# Altium PCB UHF-QM.PcbDoc (part 1 of 2) (continued)
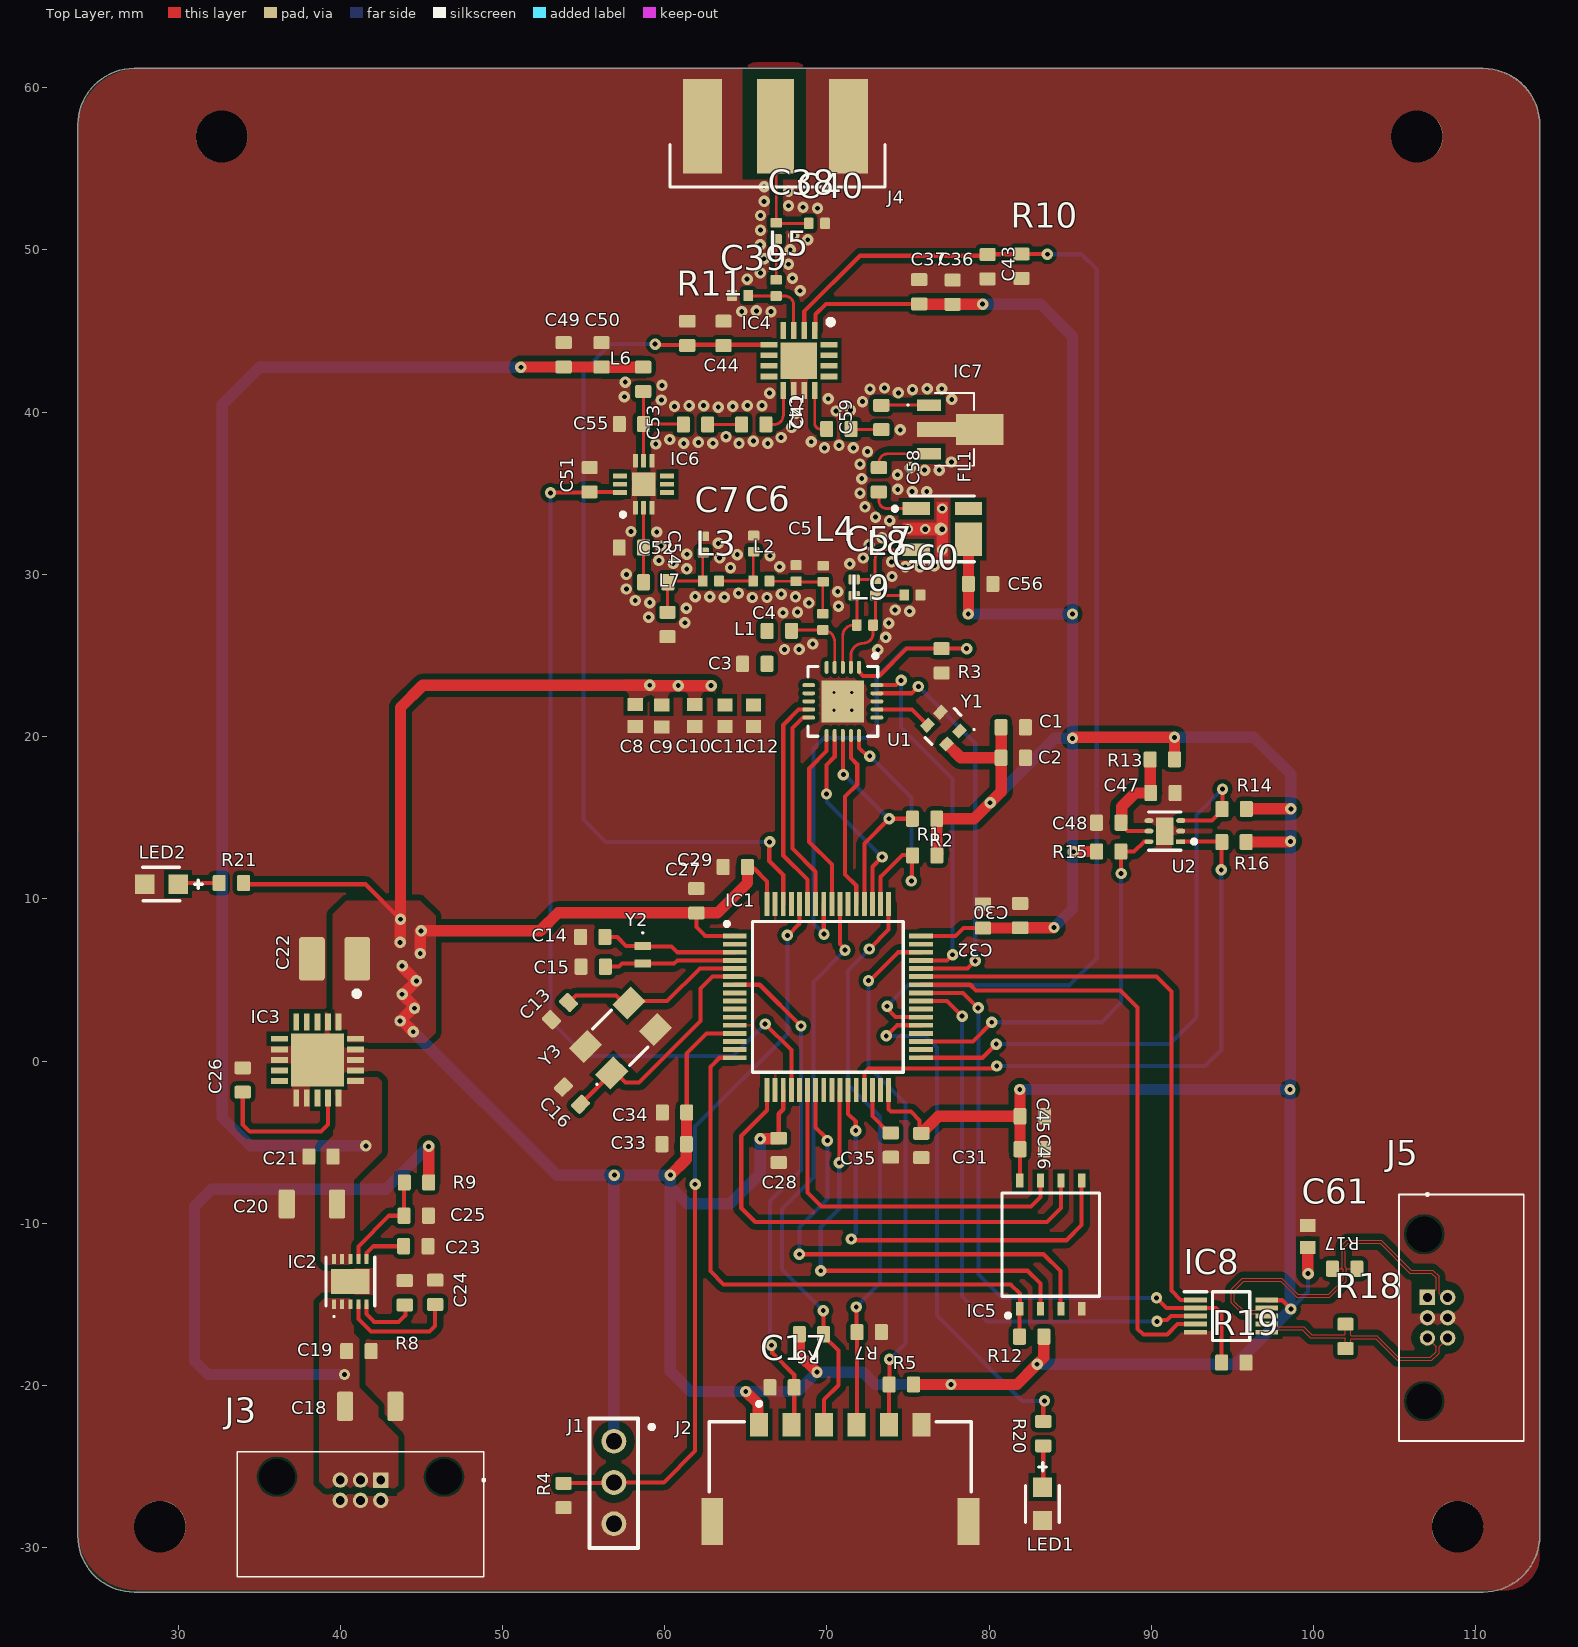
[diagram p0: Top Layer view]
## Design rules (kind name [scope] priority, off if disabled: settings)
BoardOutlineClearance [(InNet('GND') AND IsPolygon)] p1: gap=0.254 ignorepadtopadclearanceinfootprint=FALSE except(-2: Poly-OutlineEdge; 0: Arc-SplitContinuation Track-SplitContinuation SMDPad-SplitContinuation THPad-SplitContinuation Via-SplitContinuation Fill-SplitContinuation Poly-SplitContinuation Region-SplitContinuation Text-SplitContinuation)
Clearance [All] p1: gap=0.254 ignorepadtopadclearanceinfootprint=FALSE except(0.127: Arc-THPad Arc-Text Arc-Hole Track-THPad Track-Text Track-Hole SMDPad-THPad SMDPad-Hole THPad-THPad THPad-Hole Via-Hole Fill-Hole Poly-Hole Region-Hole Text-Hole; 0.15: Arc-SMDPad Track-SMDPad SMDPad-SMDPad; 0.2: Arc-Arc Arc-Track Track-Track; 0.35: Arc-Fill Arc-Poly Arc-Region Track-Fill Track-Poly Track-Region Fill-Fill Fill-Poly Fill-Region Poly-Poly Poly-Region Region-Region; 0.5: THPad-Fill THPad-Poly THPad-Region)
DiffPairsRouting [All] p1: maxlimit=0.254 minlimit=0.127 mostfreqgap=0.254 toplayer_maxgap=0.127 toplayer_prefgap=0.127 toplayer_minwidth=0.063 toplayer_maxwidth=0.063 toplayer_prefwidth=0.059 midlayer1_minwidth=0.381 midlayer1_maxwidth=0.381 midlayer1_prefwidth=0.381 midlayer2_minwidth=0.381 midlayer2_maxwidth=0.381 midlayer2_prefwidth=0.381 bottomlayer_maxgap=0.127 bottomlayer_prefgap=0.127 bottomlayer_minwidth=0.063 bottomlayer_maxwidth=0.063 bottomlayer_prefwidth=0.059 impedanceprofiledriven=TRUE maxuncoupledlength=12.7
HoleSize [All] p1: absolutevalues=TRUE maxlimit=3.5 minlimit=0.025 maxpercent=80.000 minpercent=20.000
MatchedLengths [InNetClass('FLASH')] p1: tolerance=25.4 checknetsindiffpair=FALSE checkdiffpairvsdiffpair=TRUE checkxsignals=TRUE checkothers=TRUE usedelayunits=TRUE delaytolerance=300.000000
MinimumSolderMaskSliver [All] p1: minsoldermaskwidth=0.05
PolygonConnect [All] p1: connectstyle=Direct reliefconductorwidth=0.254 reliefentries=4 polygonreliefangle="90 Angle" airgapwidth=0.254
RoutingVias [All] p1: holewidth=0.3 width=0.7 viastyle="Through Hole" minholewidth=0.3 minwidth=0.7 maxholewidth=0.3 maxwidth=0.7
SilkToSilkClearance [All] p1: silktosilkclearance=0.15
SilkToSolderMaskClearance [IsPad] p1: minsilkscreentomaskgap=0.15 clearancetoexposedcopper=TRUE
SolderMaskExpansion [All] p1: expansion=0.102 istentingtop=FALSE
SupplyNets "Schematic Supply Nets_1" [InNet('12vefuse')] p1: voltage=0.000
SupplyNets "Schematic Supply Nets_3" [InNet('12v')] p2: voltage=0.000
SupplyNets "Schematic Supply Nets_2" [InNet('GND')] p3: voltage=0.000
SupplyNets "Schematic Supply Nets" [InNet('3v3')] p4: voltage=0.000
Width [InNetClass('rf')] p1: maxlimit=0.254 minlimit=0.17 preferedwidth=0.254 toplayer_maxwidth=0.18 toplayer_prefwidth=0.175 bottomlayer_maxwidth=0.18 bottomlayer_prefwidth=0.175 impedanceprofiledriven=TRUE minimp=50.000000 maximp=50.000000 favimp=50.000000
25 further rules are at their usual default settings.

## Classes and differential pairs
net class N000-1_[0..3]: FLASH_QSPI_IO0 FLASH_QSPI_IO1 FLASH_QSPI_IO2 FLASH_QSPI_IO3
net class FLASH: FLASH_QSPI_IO0 FLASH_QSPI_IO1 FLASH_QSPI_IO2 FLASH_QSPI_IO3 FLASH_QSPI_SCK
net class rf: BiasOut LNAIN Lnaout NetC4_2 NetC6_2 NetC38_1 NetC38_2 NetC39_2 PA_IN PA_IN_2 PAout RF1TX RF2RX RF_Tx rfBIAS RFRx_N RFRx_P Switch_RX Switch_TX
component class RS485: 332 C61 IC8 J5 LED1 LED2 R17 R18 R19 R20 R21
component class RFnetwork: C49 C50 C51 C52 C53 C54 C55 C56 C57 C58 C59 C60 FL1 IC6 IC7 L6 L7 L8 L9
component class RFswitch: C36 C37 C38 C39 C40 C41 C42 C43 C44 IC4 J4 L5 R10 R11
component class FlashNTemp: C45 C46 C47 C48 IC5 R12 R13 R14 R15 R16 U2
component class si_chip: C1 C2 C3 C4 C5 C6 C7 C8 C9 C10 C11 C12 L1 L2 L3 L4 R1 R2 R3 U1 Y1
component class power: 3 C18 C19 C20 C21 C22 C23 C24 C25 C26 C27 C28 C29 C30 C31 C32 C33 C34 C35 IC2 IC3 J3 R8 R9
component class Stm32: C13 C14 C15 C16 C17 IC1 J1 J2 R4 R5 R6 R7 Y2 Y3
differential pair UHF_OUT: +UHF_OUT_P -UHF_OUT_N
differential pair UHF_IN: +UHF_IN_P -UHF_IN_N

## Components (designator, comment, footprint, x,y, rotation, side; value= is the part's Value field where it differs from the comment)
C1 "100nF +/-?% XR?" CAP_0603#1 81.488,20.575 r180 top
C2 "10nF +/-?% XR?" CAP_0603#1 81.488,18.695 r180 top
C3 "33pF +/-?% XR?" CAP_0603#1 65.557,24.486 r180 top
C4 "6.8pF" CAP_0402 69.748,27.076 r90 top
C5 "10pF" CAP_0402 68.097,30.074 r270 top
C6 "18pF" CAP_0402 65.481,31.894 r270 top
C7 "10pF" CAP_0402 62.382,31.844 r270 top
C8 "2u2f" CAPC1608X87N 58.191,21.295 r270 top
C9 "100nf" CAPC1608X87N 59.817,21.269 r270 top
C10 "100pf" CAPC1608X87N 61.849,21.295 r270 top
C11 "33pf" CAPC1608X87N 63.717,21.281 r270 top
C12 "100nf" CAPC1608X87N 65.469,21.281 r270 top
C13 "22pF" CAP_0603#1 53.543,3.073 r225 top
C14 "4pF" CAP_0603#1 55.562,7.645 r0 top
C15 "4pF" CAP_0603#1 55.587,5.817 r0 top
C16 "22pF" CAP_0603#1 54.283,-2.137 r135 top
C17 "100nF" CAP_0603#1 67.234,-20.117 r0 top
C18 "10uF" CAP_1206 41.847,-21.286 r180 top
C19 "100nF" CAP_0603#1 41.147,-17.886 r180 top
C20 "10uF" CAP_1206 38.252,-8.814 r0 top
C21 "100nF" CAP_0603#1 38.811,-5.893 r0 top
C22 "47uF" CAP_1210 39.646,6.299 r0 top
C23 "100nF" CAP_0603#1 44.657,-11.417 r0 top
C24 "100nF" CAP_0603#1 45.851,-14.264 r90 top
C25 "100nF" CAP_0603#1 44.682,-9.537 r180 top
C26 "1uF" CAP_0603#1 33.985,-1.168 r270 top
C27 "100nF" CAP_0603#1 61.951,9.881 r270 top
C28 "100nF" CAP_0603#1 67.031,-5.512 r90 top
C29 "100nF" CAP_0603#1 64.352,11.963 r0 top
C30 "1uF" CAP_0603#1 81.915,8.966 r270 top
C31 "100nF" CAP_0603#1 75.819,-5.207 r90 top
C32 "100nF" CAP_0603#1 79.629,8.941 r270 top
C33 "1uF" CAP_0603#1 60.581,-5.126 r0 top
C34 "100nF" CAP_0603#1 60.606,-3.17 r0 top
C35 "4.7uF" CAP_0603#1 73.939,-5.182 r90 top
C36 "100nF +/-?% XR?" CAP_0603#1 77.749,47.396 r90 top
C37 "100pF +/-?% XR?" CAP_0603#1 75.692,47.422 r90 top
C38 "6.4pf" CAP_0402 66.878,51.173 r90 top
C39 "2.6pf" CAP_0402 64.651,47.193 r0 top
C40 "2.6pf" CAP_0402 69.385,51.638 r180 top
C41 "100pF +/-?% XR?" CAP_0603#2 65.493,39.243 r180 top
C42 "100pF +/-?% XR?" CAP_0603#2 70.739,38.964 r0 top
C43 "100pF" CAP_0603#1 79.908,48.971 r270 top
C44 "100pF +/-?% XR?" CAP_0603#1 63.628,44.857 r90 top
C45 "100nF" CAP_0603#1 82.652,-5.436 r180 top
C46 "1uF" CAP_0603#1 82.652,-3.404 r180 top
C47 "1uF" CAP_0603#1 90.715,16.523 r180 top
C48 "100nF" CAP_0603#1 87.374,14.694 r0 top
C49 "100nF +/-?% XR?" CAP_0603#1 53.772,43.536 r90 top
C50 "1nF +/-?% XR?" CAP_0603#1 56.109,43.536 r90 top
C51 "100nF +/-?% XR?" CAP_0603#1 55.372,35.839 r90 top
C52 "1nF +/-?% XR?" CAP_0603#2 59.448,29.515 r0 top
C53 "1nF +/-?% XR?" CAP_0603#2 61.9,39.243 r180 top
C54 "0.4pF +/-?% XR?" CAP_0603#3 57.948,31.65 r0 top
C55 "0.4pF +/-?% XR?" CAP_0603#3 57.949,39.268 r0 top
C56 "100nF +/-?% XR?" CAP_0603#1 79.477,29.413 r180 top
C57 "2.6pF" CAP_0402 71.679,29.185 r90 top
C58 "2.2nF +/-?% XR?" CAP_0603#2 73.203,35.827 r270 top
C59 "2.2nF +/-?% XR?" CAP_0603#2 73.355,39.675 r90 top
C60 "5.1pF" CAP_0402 75.268,28.727 r180 top
C61 "100nf" CAPC1608X87N 99.644,-10.82 r90 top
FL1 "TCBT-123+" FP-GU1414-MFG 77.114,32.791 r270 top
IC1 "STM32U575RGT6TR" QFP50P1200X1200X160-64N 70.058,3.952 r0 top
IC2 "LS1205EVD33" LS1205EVD33 40.618,-13.601 r0 top
IC3 "TPS7A4700RGWT" QFN65P500X500X100-21N-D 38.593,0.064 r270 top
IC4 "HMC8038LP4CETR" QFN65P400X400X90-17N-D 68.275,43.18 r270 top
IC5 "MT29F4G01ABAFDWB-IT_F" SON127P800X600X65-8N 83.798,-11.32 r90 top
IC6 "PMA3-73-1W+" QFN51P300X300X89-13N 58.699,35.56 r90 top
IC7 "GALI-3+" GALI3 77.851,38.938 r270 top
IC8 "SN65HVD76DGSR" SOP50P490X110-10N 94.92,-15.723 r0 top
J1 "Pin header 1x3" "HEADER 3" 55.62,-29.774 r0 top
J2 "205338-0006" FP-2053380006-MFG 70.824,-26.135 r180 top
J3 "G125-MH10605M4P" G125-MH10605M4P_1 42.497,-25.836 r180 top
J4 "73251-1150" 73251-1150 66.827,57.633 r90 top
J5 "G125-MH10605M4P" G125-MH10605M4P_1 107.021,-14.576 r270 top
L1 "270nH +/-?% ?DCR" IND_0603#1 67.068,26.518 r0 top
L2 "22nH" IND_0402 65.956,29.591 r180 top
L3 "22nH" IND_0402 62.848,29.591 r180 top
L4 "22nH" IND_0402 69.774,30.04 r90 top
L5 "18nH" IND_0402 66.87,47.658 r90 top
L6 "20nH +/-?% ?DCR" IND_0603#2 58.674,42.025 r90 top
L7 "25nH +/-?% ?DCR" IND_0603#1 60.173,26.911 r90 top
L8 "62nH" IND_0402 73,29.202 r270 top
L9 "72nH" IND_0402 72.347,26.873 r180 top
LED1 "SMD 0805" FP-SM0805YCL-MFG 83.292,-27.3 r270 top
LED2 "SMD 0805" FP-SM0805YCL-MFG 28.976,10.903 r180 top
R1 "10k +/-?% ?ppm" RES_0603 76.034,12.675 r180 top
R2 "10k +/-?% ?ppm" RES_0603 76.022,14.935 r180 top
R3 "10k +/-?% ?ppm" RES_0603 77.072,24.673 r270 top
R4 "10k" RES_0603 53.77,-26.784 r90 top
R5 "10k" RES_0603 74.588,-19.939 r180 top
R6 "10k" RES_0603 69.049,-16.84 r180 top
R7 "10k" RES_0603 72.605,-16.713 r0 top
R8 "3.48k" RES_0603 43.971,-14.289 r90 top
R9 "10k" RES_0603 44.697,-7.486 r180 top
R10 "10k" RES_0603 81.991,48.997 r270 top
R11 "4.7k" RES_0603 61.392,44.856 r270 top
R12 "10k" RES_0603 82.626,-16.993 r0 top
R13 "500" RES_0603 90.678,18.593 r0 top
R14 "5k" RES_0603 95.109,15.532 r0 top
R15 "5k" RES_0603 87.374,12.916 r180 top
R16 "5k" RES_0603 95.096,13.5 r0 top
R17 "120 1%" RES_0603 101.918,-12.802 r0 top
R18 "120 1%" RES_0603 101.971,-16.976 r90 top
R19 "10k" RES_0603 95.086,-18.593 r0 top
R20 "500" RES_0603 83.337,-22.975 r90 top
R21 "500" RES_0603 33.286,10.973 r0 top
U1 "Si4464-B1B-FMR" SLAB-QFN-20-2600x2600TP_M 70.981,22.17 r270 top
U2 "" FP-DRV0006A-IPC_C 90.832,14.173 r180 top
Y1 "TG2016SMN_25.0000M-MCGNNM3" TG2016SMN250000MMCGNNM3 77.191,20.523 r135 top
Y2 "ABS05W-32.768KHZ-D-2-T" ABS05W32768KHZD2T 58.65,6.55 r270 top
Y3 "ABM3BAIG-16.000MHZ-12-3-T" ABM3BAIG 57.268,1.425 r45 top

## Footprints (in the part's own frame and the unit in brackets; to place one, negate y for a bottom-side part, rotate by r counter-clockwise, add the part's x,y. Pads: shape width x height; smd on the part's side, far side on the other; paste and mask are expansions set on the pad)
73251-1150 [mm]
  rect 5.84x2.29 smd mask+0.102: 1(0,0)
  rect 5.84x2.42 smd: 2(0,4.5) 2(0,-4.5)
  rect 5.84x2.42 smd far side: 2(0,4.5) 2(0,-4.5)
  silkscreen extent -3.75,-6.75 -1.14,6.5, body extent -1.14,-4.75 13.14,4.77, height 4.36
ABM3BAIG [mm]
  rect 1.6x1.3 smd: 1(-1.9,-1.15) 2(1.9,-1.15) 3(1.9,1.15) 4(-1.9,1.15)
  silkscreen extent -3.1,-1.6 0.8,1.6, body extent -2.5,-1.73 2.5,1.47, height 0.9
ABS05W32768KHZD2T [mm]
  rect 0.5x1 smd: 1(-0.55,0) 2(0.55,0)
  silkscreen extent -1.4,-0.05 -1.3,0.05, body extent -0.8,-0.5 0.8,0.5, height 0.48
CAP_0402 [mm]
  rrect25% 0.6x0.7 smd: 1(-0.5,0) 2(0.5,0)
  body extent -0.5,-0.26 0.5,0.26, height 0.37
CAP_0603#1 [mm]
  rrect25% 0.8x1 smd: 1(-0.75,0) 2(0.75,0)
  body extent -0.8,-0.4 0.8,0.4, height 0.51
CAP_0603#2 [mm]
  rrect25% 0.8x1 smd mask+0.102: 1(-0.75,0) 2(0.75,0)
  body extent -0.8,-0.4 0.8,0.4, height 0.51
CAP_0603#3 [mm]
  rrect25% 0.8x1 smd: 1(-0.75,0)
  rrect25% 0.8x1 smd mask+0.102: 2(0.75,0)
  body extent -0.8,-0.4 0.8,0.4, height 0.51
CAP_1206 [mm]
  rrect25% 1x1.8 smd: 1(-1.55,0) 2(1.55,0)
  body extent -1.6,-0.8 1.6,0.8, height 0.94
CAP_1210 [mm]
  rrect25% 1.6x2.7 smd: 1(-1.4,0) 2(1.4,0)
  body extent -1.6,-1.25 1.6,1.25, height 2.5
CAPC1608X87N [mm]
  rect 0.8x0.94 smd: 1(-0.67,0) 2(0.67,0)
  body extent -0.8,-0.4 0.8,0.4, height 0.87
FP-2053380006-MFG [mm]
  rect 1.1x1.45 smd paste+0 mask+0: 1(5,-3.725) 2(3,-3.725) 3(1,-3.725) 4(-1,-3.725) 5(-3,-3.725) 6(-5,-3.725)
  rect 1.35x2.9 smd paste+0 mask+0: 7(-7.895,2.25) 8(7.895,2.25)
  silkscreen extent -8.07,-5.12 8.08,0.42, body extent -8.67,-4.55 8.67,4, height 0.25
FP-DRV0006A-IPC_C [mm]
  rect 0.556x0.292 smd paste+0 mask+0: 1(-0.978,0.65)
  rrect100% 0.556x0.292 smd paste+0 mask+0: 2(-0.978,0) 3(-0.978,-0.65) 4(0.978,-0.65) 5(0.978,0) 6(0.978,0.65)
  rect 1.1x1.7 smd paste-1000 mask+0: 7(0,0)
  silkscreen extent -1.93,-1.17 1,1.18, body extent -1.36,-1.1 1.36,1.1, height 0.25
FP-GU1414-MFG [mm]
  rect 0.79x1.68 smd paste+0 mask+0.102: 1(-1.27,-1.61) 2(1.27,-1.61)
  rect 2.06x1.68 smd paste+0 mask+0: 3(0.635,1.61)
  rect 0.79x1.68 smd paste+0 mask+0: 4(-1.27,1.61)
  round 0.786 smd paste+0 mask+0: 5(-0.005,-0.094)
  Top Layer region: -1.664,-0.343 -1.664,0.343 1.664,0.343 1.664,-0.343 0.394,-0.343 0.394,-2.451 -0.394,-2.451 -0.394,-0.343
  silkscreen extent -2.04,-3.04 2.01,1.99, body extent -2.07,-2.55 2.07,2.55, height 0.25
FP-SM0805YCL-MFG [mil]
  rect 47x47 smd paste+0 mask+0: 1(-40.5,0) 2(40.5,0)
  silkscreen extent -100,-41 45,40, body extent -68,-33 68,33, height 10
G125-MH10605M4P_1 [mm]
  rect 0.95x0.95 hole 0.55: 1(0,0)
  round 0.95 hole 0.55: 2(1.25,0) 3(2.5,0) 4(0,1.25) 5(1.25,1.25) 6(2.5,1.25)
  round 1.1 hole 2.2 unplated: 7(-3.9,-0.2) 8(6.4,-0.2)
  silkscreen extent -6.4,-1.75 8.85,5.95, body extent -6.35,-1.75 8.85,5.95, height 5.17
GALI3 [mil]
  rect 27.99x59.02 smd mask+4: 1(-59.02,-61.5) 3(59.02,-61.5)
  rect 35.98x95 smd: 2(0,-43.5)
  rect 75x115 smd: 4(0,61.5)
  silkscreen extent -89,-114 89,48, body extent -91,-70 91,97, height 65
"HEADER 3" [mil]
  round 60 hole 39.37: 1(49.21,249.21) 2(49.21,149.21) 3(49.21,49.21)
  silkscreen extent -10,-10 146,305, body extent 0,0 98,298, height 217
IND_0402 [mm]
  rrect25% 0.6x0.7 smd: 1(-0.5,0) 2(0.5,0)
  body extent -0.56,-0.26 0.56,0.26, height 0.67
IND_0603#1 [mm]
  rrect25% 0.8x1 smd: 1(-0.75,0)
  rrect25% 0.8x1 smd mask+0.102: 2(0.75,0)
  body extent -0.81,-0.37 0.81,0.37, height 0.87
IND_0603#2 [mm]
  rrect25% 0.8x1 smd mask+0.102: 1(-0.75,0)
  rrect25% 0.8x1 smd: 2(0.75,0)
  body extent -0.81,-0.37 0.81,0.37, height 0.87
LS1205EVD33 [mm]
  rect 0.25x0.6 smd: 1(-1,-1.4) 2(-0.5,-1.4) 3(0,-1.4) 4(0.5,-1.4) 5(1,-1.4) 6(1,1.4) 7(0.5,1.4) 8(0,1.4) 9(-0.5,1.4) 10(-1,1.4)
  rect 2.35x1.55 smd: 11(0,0)
  silkscreen extent -1.5,-2.2 1.5,1.5, body extent -1.5,-1.5 1.5,1.5, height 0.75
QFN51P300X300X89-13N [mm]
  rect 0.85x0.3 smd: 1(-1.45,0.51) 3(-1.45,-0.51) 7(1.45,-0.51) 9(1.45,0.51)
  rect 0.85x0.3 smd mask+0.102: 2(-1.45,0) 8(1.45,0)
  rect 0.3x0.85 smd: 4(-0.51,-1.45) 5(0,-1.45) 6(0.51,-1.45) 10(0.51,1.45) 11(0,1.45) 12(-0.51,1.45)
  rect 1.45x1.45 smd: 13(0,0)
  silkscreen extent -2,1.15 -1.75,1.4, body extent -1.55,-1.55 1.55,1.55, height 0.89
QFN65P400X400X90-17N-D [mm]
  rect 1.05x0.35 smd: 1(-1.85,0.975) 2(-1.85,0.325) 4(-1.85,-0.975) 10(1.85,-0.325) 11(1.85,0.325)
  rect 1.05x0.35 smd mask+0.102: 3(-1.85,-0.325) 9(1.85,-0.975) 12(1.85,0.975)
  rect 0.35x1.05 smd: 5(-0.975,-1.85) 6(-0.325,-1.85) 7(0.325,-1.85) 8(0.975,-1.85) 13(0.975,1.85) 14(0.325,1.85) 15(-0.325,1.85) 16(-0.975,1.85)
  rect 2.25x2.25 smd: 17(0,0)
  silkscreen extent -2.54,1.79 -2.21,2.11, body extent -2.05,-2.05 2.05,2.05, height 0.9
QFN65P500X500X100-21N-D [mm]
  rect 1.05x0.35 smd: 1(-2.35,1.3) 2(-2.35,0.65) 3(-2.35,0) 4(-2.35,-0.65) 5(-2.35,-1.3) 11(2.35,-1.3) 12(2.35,-0.65) 13(2.35,0) 14(2.35,0.65) 15(2.35,1.3)
  rect 0.35x1.05 smd: 6(-1.3,-2.35) 7(-0.65,-2.35) 8(0,-2.35) 9(0.65,-2.35) 10(1.3,-2.35) 16(1.3,2.35) 17(0.65,2.35) 18(0,2.35) 19(-0.65,2.35) 20(-1.3,2.35)
  rect 3.25x3.25 smd: 21(0,0)
  body extent -2.5,-2.5 2.5,2.5, height 1
QFP50P1200X1200X160-64N [mm]
  rect 1.475x0.3 smd: 1(-5.738,3.75) 2(-5.738,3.25) 3(-5.738,2.75) 4(-5.738,2.25) 5(-5.738,1.75) 6(-5.738,1.25) 7(-5.738,0.75) 8(-5.738,0.25) 9(-5.738,-0.25) 10(-5.738,-0.75) 11(-5.738,-1.25) 12(-5.738,-1.75) 13(-5.738,-2.25) 14(-5.738,-2.75) 15(-5.738,-3.25) 16(-5.738,-3.75) 33(5.738,-3.75) 34(5.738,-3.25) 35(5.738,-2.75) 36(5.738,-2.25) 37(5.738,-1.75) 38(5.738,-1.25) 39(5.738,-0.75) 40(5.738,-0.25) 41(5.738,0.25) 42(5.738,0.75) 43(5.738,1.25) 44(5.738,1.75) 45(5.738,2.25) 46(5.738,2.75) 47(5.738,3.25) 48(5.738,3.75)
  rect 0.3x1.475 smd: 17(-3.75,-5.738) 18(-3.25,-5.738) 19(-2.75,-5.738) 20(-2.25,-5.738) 21(-1.75,-5.738) 22(-1.25,-5.738) 23(-0.75,-5.738) 24(-0.25,-5.738) 25(0.25,-5.738) 26(0.75,-5.738) 27(1.25,-5.738) 28(1.75,-5.738) 29(2.25,-5.738) 30(2.75,-5.738) 31(3.25,-5.738) 32(3.75,-5.738) 49(3.75,5.738) 50(3.25,5.738) 51(2.75,5.738) 52(2.25,5.738) 53(1.75,5.738) 54(1.25,5.738) 55(0.75,5.738) 56(0.25,5.738) 57(-0.25,5.738) 58(-0.75,5.738) 59(-1.25,5.738) 60(-1.75,5.738) 61(-2.25,5.738) 62(-2.75,5.738) 63(-3.25,5.738) 64(-3.75,5.738)
  silkscreen extent -6.35,-4.65 4.65,4.65, body extent -6,-6 6,6, height 1.6
RES_0603 [mm]
  rrect25% 0.8x1 smd: 1(-0.75,0) 2(0.75,0)
  body extent -0.8,-0.4 0.8,0.4, height 0.45
SLAB-QFN-20-2600x2600TP_M [mm] "QFN, 20-Leads, Body 4x4mm, Pitch 0.5mm, Thermal Pad 2.6x2.6mm, IPC Low Density"
  oval 0.8x0.25 smd: 1(-2.1,1) 5(-2.1,-1) 11(2.1,-1) 12(2.1,-0.5) 13(2.1,0) 14(2.1,0.5) 15(2.1,1)
  oval 0.8x0.25 smd mask+0.102: 2(-2.1,0.5) 3(-2.1,0) 4(-2.1,-0.5)
  oval 0.25x0.8 smd: 6(-1,-2.1) 7(-0.5,-2.1) 8(0,-2.1) 9(0.5,-2.1) 10(1,-2.1) 16(1,2.1) 17(0.5,2.1) 18(0,2.1) 19(-0.5,2.1) 20(-1,2.1)
  rect 2.6x2.6 smd: 21(0,0)
  silkscreen extent -2.92,-2.15 2.15,2.15, body extent -2,-2 2,2, height 0.9
SON127P800X600X65-8N [mm]
  rect 0.85x0.45 smd: 1(-3.95,1.905) 2(-3.95,0.635) 3(-3.95,-0.635) 4(-3.95,-1.905) 5(3.95,-1.905) 6(3.95,-0.635) 7(3.95,0.635) 8(3.95,1.905)
  silkscreen extent -4.5,-3 3.18,3, body extent -4,-3 4,3, height 0.65
SOP50P490X110-10N [mm]
  rect 1.4x0.3 smd: 1(-2.2,1) 2(-2.2,0.5) 3(-2.2,0) 4(-2.2,-0.5) 5(-2.2,-1) 6(2.2,-1) 7(2.2,-0.5) 8(2.2,0) 9(2.2,0.5) 10(2.2,1)
  silkscreen extent -2.9,-1.5 1.15,1.5, body extent -2.46,-1.5 2.46,1.5, height 1.1
TG2016SMN250000MMCGNNM3 [mm]
  rect 0.6x0.75 smd: 1(-0.825,-0.565) 2(0.825,-0.565) 3(0.825,0.565) 4(-0.825,0.565)
  silkscreen extent -1.45,-1.32 0.4,1.22, body extent -1.06,-0.88 1.06,0.88, height 0.83

## Part data
C1 C2 C3 C13 C14 C15 C16 C17 C19 C21 C23 C24 C25 C26 C27 C28 C29 C30 C31 C32 C33 C34 C35 C36 C37 C41 C42 C43 C44 C45 C46 C47 C48 C49 C50 C51 C52 C53 C54 C55 C56 C58 C59: library part Capacitor-SMD-0603, "Capacitor SMD 0603 RATED"
C4 C5 C6 C7 C38 C39 C40 C57 C60: library part Capacitor-SMD-0402, "Capacitor SMD 0402 RATED"
C8 C9 C10 C11 C12 C61: library part 0603N470J500CT, "Capacitor", Manufacturer_Name="Walsin Technology Corporation", Mouser Part Number=791-0603N470J500CT, Manufacturer_Part_Number=0603N470J500CT, Height=0.87mm, Datasheet Link=https://datasheet.datasheetarchive.com/originals/distributors/DKDS41/DSANUWW0027552.pdf, Mouser Price/Stock=https://www.mouser.co.uk/ProductDetail/Walsin/0603N470J500CT?qs=ZrPdAQfJ6DOWJe9N0xQVbw%3D%3D
C18 C20: library part Capacitor-SMD-1206, "Capacitor SMD 1206 RATED"
C22: library part Capacitor-SMD-1210, "Capacitor SMD 1210 RATED"
FL1: library part CMP-01968-107855816-1, "TCBT-123+ OEMs, CMs ONLY (NO BROKERS)", Max Operating Temperature=85°C, Min Operating Temperature=-40°C, Height=3.81mm, NexarPartId=107855816
IC1: "Integrated Circuit", Manufacturer_Name=STMicroelectronics, Mouser Part Number=511-STM32U575RGT6TR, Manufacturer_Part_Number=STM32U575RGT6TR, Height=1.6mm, Datasheet Link=https://www.st.com/resource/en/datasheet/stm32u575ag.pdf, Mouser Price/Stock=https://www.mouser.co.uk/ProductDetail/STMicroelectronics/STM32U575RGT6TR?qs=T%252BzbugeAwjjwoz%252BinJLUwQ%3D%3D, Arrow Part Number=STM32U575RGT6TR, Arrow Price/Stock=https://www.arrow.com/en/products/stm32u575rgt6tr/stmicroelectronics?utm_currency=USD&region=nac
IC2: "Integrated Circuit", Manufacturer_Name=LITTELFUSE, Mouser Part Number=576-LS1205EVD33, Height=0.8mm, Manufacturer_Part_Number=LS1205EVD33, Datasheet Link=https://www.littelfuse.com/media?resourcetype=datasheets&itemid=b40a8809-c1ad-459d-a34c-84532dbddcb7&filename=littelfuse-protection-ic-ls1205exd33--datasheet, Mouser Price/Stock=https://www.mouser.co.uk/ProductDetail/Littelfuse/LS1205EVD33?qs=4ASt3YYao0VRtislHe5uQQ%3D%3D, Arrow Part Number=LS1205EVD33, Arrow Price/Stock=https://www.arrow.com/en/products/ls1205evd33/littelfuse?utm_currency=USD&region=nac
IC3: library part TPS7A4700RGWR, "Integrated Circuit", Manufacturer_Name="Texas Instruments", Mouser Part Number=595-TPS7A4700RGWR, Manufacturer_Part_Number=TPS7A4700RGWR, Height=1mm, Datasheet Link=http://www.ti.com/lit/gpn/tps7a47, Mouser Price/Stock=https://www.mouser.co.uk/ProductDetail/Texas-Instruments/TPS7A4700RGWR?qs=b5Ofe9I6AaEq0TfoG6v9lA%3D%3D, Arrow Part Number=TPS7A4700RGWR, Arrow Price/Stock=https://www.arrow.com/en/products/tps7a4700rgwr/texas-instruments?region=nac
IC4: "Integrated Circuit", Manufacturer_Name="Analog Devices", Mouser Part Number=584-HMC8038LP4CETR, Manufacturer_Part_Number=HMC8038LP4CETR, Height=0.9mm, Datasheet Link=https://pt.mouser.com/datasheet/2/609/HMC8038W-2956082.pdf, Mouser Price/Stock=https://www.mouser.co.uk/ProductDetail/Analog-Devices/HMC8038LP4CETR?qs=JeIcUl65ClBZnat%2FltI6ww%3D%3D, Arrow Part Number=HMC8038LP4CETR, Arrow Price/Stock=https://www.arrow.com/en/products/hmc8038lp4cetr/analog-devices?region=nac
IC5: "Integrated Circuit", Manufacturer_Part_Number=MT29F4G01ABAFDWB-IT:F, Manufacturer_Name=Micron, Mouser Part Number=340-359563, Height=0.65mm, Datasheet Link=https://www.farnell.com/datasheets/3151403.pdf, Mouser Price/Stock=https://www.mouser.co.uk/ProductDetail/Micron/MT29F4G01ABAFDWB-ITF?qs=wUXugUrL1qwrjb7To7JPbA%3D%3D, Arrow Part Number=MT29F4G01ABAFDWB-IT:F, Arrow Price/Stock=null?region=nac
IC6: "Integrated Circuit", Manufacturer_Name=Mini-Circuits, Height=0.89mm, Manufacturer_Part_Number=PMA3-73-1W+, Datasheet Link=https://www.minicircuits.com/WebStore/dashboard.html?model=PMA3-73-1W%2B
IC7: "Integrated Circuit", Manufacturer_Name=Mini-Circuits, Mouser Part Number=139-GALI-3, Manufacturer_Part_Number=GALI-3+, Height=1.6mm, Datasheet Link=https://www.mouser.com/datasheet/2/1030/GALI-3_2b-1700470.pdf, Mouser Price/Stock=https://www.mouser.co.uk/ProductDetail/Mini-Circuits/GALI-3%2b?qs=xZ%2FP%252Ba9zWqaN9gt7VIItFw%3D%3D
IC8: "RS485 Full Duplex Transciever", Manufacturer_Name="Texas Instruments", Mouser Part Number=595-SN65HVD76DGSR, Arrow Part Number=SN65HVD76DGSR, Arrow Price/Stock=https://www.arrow.com/en/products/sn65hvd76dgsr/texas-instruments?region=nac, Datasheet Link=http://www.ti.com/lit/gpn/sn65hvd76, Height=1.1mm, Manufacturer_Part_Number=SN65HVD76DGSR, Mouser Price/Stock=https://www.mouser.co.uk/ProductDetail/Texas-Instruments/SN65HVD76DGSR?qs=7z%252BmIopC6%2FI%252B8LLIzcebYw%3D%3D
J2: library part CMP-00257-108204701-1, "205338-0006 Connector Shrouded Header Positive Lock 6 Position 2mm Pitch Right Angle Surface Mount T/R", Manufacturer Lifecycle Status=ACTIVE, Number of Rows=1, Orientation="Right Angle", Number of Circuits=6, NexarPartId=108204701, Lifecycle Status=Production, Schedule B=8536694040, Country of Origin=MY, Contact Plating=Gold, RoHS=Compliant, Gender=Male
J3 J5: "Connector", Manufacturer_Name=Harwin, Mouser Part Number=855-G125MH1065M4PM4P, Datasheet Link=https://content.harwin.com/m/667f1be9427fb768/original/DRG-02921-Technical-Drawing-Datasheet-G125-MH1XX05M4P-pdf.pdf, Height=5.3mm, Manufacturer_Part_Number=G125-MH10605M4P, Mouser Price/Stock=https://www.mouser.co.uk/ProductDetail/Harwin/G125-MH10605M4P?qs=vHuUswq2%252BswF07IXFR1W6A%3D%3D
J4: "RF Connector 50 Ohms, SMA Jack Receptacle, Edge Mount, .25µm Gold (Au) Plating", Manufacturer=Molex, Manufacturer Part Number=73251-1150
L1 L6 L7: library part Inductor-SMD-RF-0603, "Inductor SMD 0603"
L2 L3 L4 L5 L8 L9: library part Inductor-SMD-RF-0402, "Inductor SMD 0402"
LED1 LED2: library part CMP-35283-000007-1, "LED YELLOW CLEAR 0805 SMD", Lens Color=Colorless, Min Operating Temperature=-30°C, Max Operating Temperature=80°C, Illumination Color=Yellow, Forward Current=2mA, Case/Package=0805, Case Code (Metric)=2012, Package Quantity=4000, Forward Voltage=1.9V, Lead Free="Lead Free", Length=2mm, Lens Transparency=Clear, Mount="Surface Mount", Luminous Intensity=11.5mcd, Height=0.8mm, Width=1.2mm, Dominant Wavelength=592nm, Color=Yellow, Case Code (Imperial)=0805, Viewing Angle=130°, Test Current=2mA, Packaging="Tape and Reel"
R1 R2 R3 R4 R5 R6 R7 R8 R9 R10 R11 R12 R13 R14 R15 R16 R17 R18 R19 R20 R21: library part Resistor-SMD-0603, "Resistor SMD 0603 RATED"
U1: library part CMP-0520-00036-1, "High-Performance, Low-Current Transceiver, 119 to 960 MHz, -20 to 20 dBm Output Power, -40 to 85 degC, 20-pin QFN, Tape and Reel", Output Power Range="-20 to 20 dBm", Manufacturer="Silicon Labs", Frequency Range="119 to 960 MHz", RX Current="10.6/13.6 mA", FSK/GFSK="500 kbps", PartNumber=Si4464-B1B-FMR, PackageReference=QFN-20, PackageDescription="20-Pin Quad-Flat No-Leads Package, Body 4 x 4 mm, Pitch 0.5 mm", OOK="120 kbps", Mounting Technology="Surface Mount", Packing="Tape and Reel", Sub-Family=EZRadioPRO, ComponentLink3URL=http://www.silabs.com/Support%20Documents/TechnicalDocs/Si4464-63-61-60.pdf, ComponentLink3Description="Package Specification", ComponentLink2URL="http://www.silabs.com/Support Documents/TechnicalDocs/Si4464-63-61-60.pdf", ComponentLink2Description=Datasheet, ComponentLink1URL=http://www.silabs.com/, ComponentLink1Description="Manufacturer URL", Code_JEDEC=MO-220, Code_IPC=J-STD-020C, DatasheetVersion="Rev. 1.2"
U2: library part CMP-04948-000045-1, "SENSOR DIGITAL -55C-125C 6WSON", Min Operating Temperature=-55°C, Max Operating Temperature=150°C, Output Type=I2C, Packaging="Tape and Reel", Mount="Surface Mount", RoHS Compliant=Yes, Interface=I2C, Resolution=16b
Y1: "Crystal or Oscillator", Arrow Part Number="TG2016SMN 25.0000M-MCGNNM3", Manufacturer_Name="Epson Timing", Mouser Part Number=732-TG216S25MCGNNM3, Arrow Price/Stock=https://www.arrow.com/en/products/tg2016smn-25.0000m-mcgnnm3/epson-electronics-america?region=nac, Datasheet Link=https://support.epson.biz/td/api/doc_check.php?dl=app_TG2016SMN&lang=en, Height=0.73mm, Manufacturer_Part_Number="TG2016SMN 25.0000M-MCGNNM3", Mouser Price/Stock=https://www.mouser.co.uk/ProductDetail/Epson-Timing/TG2016SMN-25.0000M-MCGNNM3?qs=d0WKAl%252BL4Ka73EeK48LHvA%3D%3D
Y2: "Crystal or Oscillator", Manufacturer_Name=ABRACON, Mouser Part Number=815-ABS05W32.768KD2T, Height=0.5mm, Manufacturer_Part_Number=ABS05W-32.768KHZ-D-2-T, Datasheet Link=https://abracon.com/Resonators/ABS05W.pdf, Mouser Price/Stock=https://www.mouser.co.uk/ProductDetail/ABRACON/ABS05W-32.768KHZ-D-2-T?qs=r5DSvlrkXmJ0aADBg3hvfA%3D%3D, Arrow Part Number=ABS05W-32.768KHZ-D-2-T, Arrow Price/Stock=https://www.arrow.com/en/products/abs05w-32.768khz-d-2-t/abracon?utm_currency=USD&region=nac
Y3: "Crystal or Oscillator", Manufacturer_Name=ABRACON, Manufacturer_Part_Number=ABM3BAIG-16.000MHZ-12-3-T, Height=0.9mm, Datasheet Link=https://abracon.com/AIGcrystals/ABM3BAIG.pdf

## Free pads (board coordinates)
  round 0.075 on Mech1: 1(23.825,-29.272) 1(23.825,-29.272) 1(23.825,57.72) 1(23.825,57.72) 1(27.294,-32.741) 1(27.294,-32.741) 1(27.294,61.189) 1(27.294,61.189) 1(36.195,-32.741) 1(36.195,-32.741) 1(110.476,-32.741) 1(110.476,-32.741) 1(110.476,61.189) 1(110.476,61.189) 1(113.944,-29.272) 1(113.944,-29.272) 1(113.944,57.72) 1(113.944,57.72)
  round 0.075 on Mech2: 1(23.825,-29.272) 1(23.825,-29.272) 1(23.825,57.72) 1(23.825,57.72) 1(27.294,-32.741) 1(27.294,-32.741) 1(27.294,61.189) 1(27.294,61.189) 1(36.195,-32.741) 1(36.195,-32.741) 1(110.476,-32.741) 1(110.476,-32.741) 1(110.476,61.189) 1(110.476,61.189) 1(113.944,-29.272) 1(113.944,-29.272) 1(113.944,57.72) 1(113.944,57.72)
  round 0.006 on Mech1: 1(27.29,-28.702) 1(30.47,-28.702) 1(31.1,56.998) 1(34.28,56.998) 1(104.785,56.998) 1(107.29,-28.702) 1(107.965,56.998) 1(110.47,-28.702)
  round 0.006 on Mech2: 1(27.29,-28.702) 1(30.47,-28.702) 1(31.1,56.998) 1(34.28,56.998) 1(104.785,56.998) 1(107.29,-28.702) 1(107.965,56.998) 1(110.47,-28.702)
  round 3.18 hole 3.18 mask-2539.97: 1(28.88,-28.702)
  round 3.18 on Mech2: 1(28.88,-28.702) 1(32.69,56.998) 1(106.375,56.998) 1(108.88,-28.702)
  round 3.18 hole 3.18: 1(32.69,56.998) 1(106.375,56.998) 1(108.88,-28.702)

## Via types
v1: diameter 0.7, hole 0.3, Top Layer to Bottom Layer, 210 vias
v2: diameter 0.63, hole 0.33, Top Layer to Bottom Layer, tented both sides, 5 vias
v3: diameter 0.5, hole 0.2, Top Layer to Bottom Layer, tented both sides, 4 vias

## Nets (pads, with @x,y where several pads share a name; then routed paths per layer and width w, separated by ;. In a path a pad name is that pad's centre, name@x,y a point inside that pad or via, vN(x,y) a via of type N, cw(c..) or ccw(c..) an arc to the next point about the centre after c; other vN are vias at no path point)
3v3: C1.2 C2.2 C3.1 C8.1 C9.1 C10.1 C11.1 C12.1 C22.2 C27.2 C28.2 C29.2 C30.2 C31.2 C32.2 C33.2 C34.2 C36.1 C37.1 C45.2 C46.2 C56.2 C61.1 FL1.3 IC1.1 IC1.13 IC1.19 IC1.32 IC1.48 IC1.64 IC3.1 IC3.3 IC3.20 IC4.1 IC5.8 IC8.10 J1.1 J2.1 L1.1 R1.1 R2.1 R5.1 R6.2 R12.2 R13.2 R14.2 R15.2 R16.2 R21.2 U1.6 U1.8 Y1.4 | length 394.5
  Top Layer w0.254: R21.2@34.036,10.973 34.112,10.897 41.554,10.897 v1(43.713,8.738) ; C34.2@61.356,-3.17 61.356,0.473 62.586,1.702 IC1.13@64.32,1.702 ; C27.2@61.951,9.131 61.951,8.255 62.504,7.702 IC1.1@64.32,7.702 ; 65.52,11.863 66.308,11.075 IC1.64@66.308,9.69 ; C28.2@67.031,-4.762 67.031,-3.251 67.308,-2.974 IC1.19@67.308,-1.786 ; IC4.1@69.25,45.03 69.298,45.078 69.298,46.036 69.934,46.672 C37.1@75.692,46.672 ; IC1.32@73.808,-1.786 73.808,-2.975 73.957,-3.124 75.184,-3.124 75.719,-3.659 75.719,-4.357 C31.2@75.819,-4.457 ; IC1.48@75.796,7.702 75.802,7.696 77.927,7.696 78.422,8.191 C32.2@79.629,8.191 ; IC5.8@81.893,-7.37 81.897,-7.366 81.897,-5.44 C45.2@81.902,-5.436 ; IC8.10@97.12,-14.723 97.143,-14.746 98.058,-14.746 v1(98.603,-15.291)
  Top Layer w0.7: v1@43.663,7.29 v1(43.688,7.315) 43.688,8.712 v1(43.713,8.738) 43.713,21.793 45.085,23.165 v1(59.08,23.165) 59.106,23.139 v1(60.833,23.139) v1(62.865,23.139) ; v1(43.815,5.867) 43.815,5.817 v1(44.691,4.94) 43.866,4.115 v1(43.815,4.115) 44.577,3.353 v1(44.577,3.251) 44.475,3.251 v1(43.688,2.464) 43.84,2.464 v1(44.501,1.803) ; v1(44.933,6.629) v1@44.933,8.026 ; v1(44.983,8.026) 52.324,8.026 53.428,9.131 C27.2@61.951,9.131 63.258,9.131 65.102,10.974 C29.2@65.102,11.963 ; v1(60.35,-7.036) 61.331,-6.055 C33.2@61.331,-5.226 ; C33.2@61.281,-5.276 C33.2@61.331,-5.226 ; C33.2@61.331,-5.126 C33.2@61.331,-5.226 ; C33.2@61.344,-5.213 61.344,-3.183 C34.2@61.356,-3.17 ; v1(64.999,-20.371) 65.751,-21.123 65.751,-22.336 J2.1@65.824,-22.41 ; v1(65.888,-4.801) 66.992,-4.801 C28.2@67.031,-4.762 ; R6.2@68.299,-16.84 68.299,-18.083 v1(69.393,-19.177) ; R5.1@75.338,-19.939 v1(77.648,-19.939) 81.713,-19.939 v1(82.957,-18.695) 83.376,-18.276 R12.2@83.376,-16.993 ; C37.1@75.692,46.672 75.705,46.659 77.737,46.659 C36.1@77.749,46.646 79.59,46.646 v1(79.604,46.66) ; C31.2@75.819,-4.457 75.919,-4.457 75.969,-4.407 75.969,-4.307 76.872,-3.404 C46.2@81.902,-3.404 ; R1.1@76.834,12.816 76.784,12.766 R1.1@76.784,12.675 76.778,12.681 76.778,14.929 R2.1@76.772,14.935 79.07,14.935 v1@79.904,15.769 ; Y1.4@77.374,19.54 77.41,19.54 78.255,18.695 C2.2@80.738,18.695 ; v1(78.715,27.559) 78.725,27.57 FL1.3@78.724,32.156 FL1.3@78.724,32.156 ; C32.2@79.629,8.191 79.642,8.203 81.902,8.203 C30.2@81.915,8.216 83.984,8.216 v1(83.998,8.23) ; v1(80.061,15.926) v1@79.904,15.769 ; C1.2@80.738,20.575 C2.2@80.738,18.695 ; v1(81.89,-1.753) 81.902,-1.765 C46.2@81.902,-3.404 ; C45.2@81.902,-5.436 C46.2@81.902,-3.404 ; v1(85.141,19.888) 85.204,19.951 v1(91.428,19.951) R13.2@91.428,18.593 ; v1(85.192,12.903) 85.204,12.916 R15.2@86.624,12.916 ; R16.2@95.846,13.5 98.539,13.5 v1(98.577,13.538) ; R14.2@95.859,15.532 95.872,15.545 v1(98.603,15.545) ; C61.1@99.644,-11.49 99.644,-11.54 99.644,-13.081 v1(99.67,-13.106) ; v1@79.904,15.769 80.738,16.603 C2.2@80.738,18.695
  Bottom Layer w0.254: v1(98.603,-15.291) 99.67,-14.224 v1(99.67,-13.106)
  Bottom Layer w0.7: v1(44.501,1.803) 53.34,-7.036 v1(56.896,-7.036) ; J1.1@56.87,-23.444 56.87,-7.062 v1(56.896,-7.036) ; v1(65.888,-4.801) 65.888,-6.934 64.019,-8.803 61.407,-8.803 60.35,-7.747 ; v1(77.648,-19.939) 72.974,-19.939 72.212,-19.177 v1(69.393,-19.177) 68.199,-20.371 v1(64.999,-20.371) 61.595,-20.371 60.35,-19.126 60.35,-7.747 ; v1(78.715,27.559) v1(85.141,27.559) ; v1(79.604,46.66) 83.16,46.66 85.141,44.679 v1(85.141,27.559) ; v1(80.061,15.926) 84.023,19.888 v1(85.141,19.888) ; v1(81.89,-1.753) v1(98.552,-1.753) 98.552,-15.24 v1(98.603,-15.291) 95.198,-18.695 v1(82.957,-18.695) ; v1(83.998,8.23) 85.141,9.373 85.141,12.903 v1(85.141,19.888) ; v1(91.428,19.951) 96.33,19.951 98.603,17.678 v1(98.603,15.545) 98.603,13.564 v1(98.577,13.538) 98.577,-1.343 ; v1(56.896,-7.036) v1(60.35,-7.036) 60.35,-7.747 ; v1(85.141,19.888) v1(85.141,27.559)
12v: C18.2 C19.2 IC2.1 IC2.2 IC2.3 J3.1 J3.2 J3.3 R9.1 | length 37.3
  Top Layer w0.7: R9.1@45.447,-7.486 v1(45.447,-5.264)
  Bottom Layer w0.7: v1(40.259,-19.329) 31.852,-19.329 31.013,-18.491 31.013,-8.966 32.08,-7.899 42.811,-7.899 v1(45.447,-5.264)
12vefuse: C20.2 C21.2 C49.1 C50.1 IC2.8 IC2.9 IC2.10 IC3.13 IC3.15 IC3.16 L6.2 | length 80.5
  Top Layer w0.7: v1(51.13,42.774) 51.142,42.786 C50.1@56.109,42.786 56.114,42.78 58.669,42.78 L6.2@58.674,42.775
  Bottom Layer w0.7: v1(41.58,-5.232) 34.468,-5.232 32.715,-3.48 32.715,40.462 35.027,42.774 v1(51.13,42.774)
BiasOut: C58.2 FL1.1 | length 3.1
  Top Layer w0.175: C58.2@73.203,35.077 73.203,34.544 ccw(c73.685,34.544) 73.685,34.061 FL1.1@75.504,34.061
BOOT0: IC1.60 J1.2 R4.2 | length 45.3
  Top Layer w0.254: R4.2@53.77,-26.034 53.795,-26.009 56.845,-26.009 J1.2@56.87,-25.984 59.944,-25.984 61.874,-24.054 v1(61.874,-7.595) ; v1(67.564,7.747) 67.589,7.747 68.308,8.466 IC1.60@68.308,9.69
  Bottom Layer w0.254: v1(61.874,-7.595) 61.874,-4.039 67.564,1.651 v1(67.564,7.747)
DAC: C51.1 IC1.20 IC6.12 | length 56.6
  Top Layer w0.254: v1(52.959,35.027) 52.99,35.058 55.341,35.058 C51.1@55.372,35.089 55.392,35.07 57.23,35.07 IC6.12@57.249,35.05 ; v1(66.192,2.286) 67.808,0.67 IC1.20@67.808,-1.786
  Bottom Layer w0.254: v1(52.959,35.027) 52.959,2.464 55.118,0.305 64.211,0.305 v1(66.192,2.286)
FLASH_QSPI_CS: IC1.16 IC5.1 R12.1 | length 36.7
  Top Layer w0.254: IC1.16@64.32,0.202 63.372,0.202 62.814,-0.356 62.814,-12.954 63.627,-13.767 81.331,-13.767 81.893,-14.329 IC5.1@81.893,-15.27 81.885,-15.278 81.885,-16.984 R12.1@81.876,-16.993
FLASH_QSPI_IO0: IC1.27 IC5.5 | length 26.9
  Top Layer w0.254: IC1.27@71.308,-1.786 71.308,-3.261 71.78,-3.734 v1(71.78,-4.293) ; v1(71.501,-10.973) 71.577,-11.049 84.76,-11.049 85.703,-10.106 IC5.5@85.703,-7.37
  Bottom Layer w0.254: v1(71.501,-10.973) 71.501,-10.88 71.78,-10.601 v1(71.78,-4.293)
FLASH_QSPI_IO1: IC1.26 IC5.2 | length 27.1
  Top Layer w0.254: v1(69.621,-12.929) 82.372,-12.929 83.163,-13.72 IC5.2@83.163,-15.27 ; v1(70.764,-6.274) 70.786,-6.252 70.786,-1.808 IC1.26@70.808,-1.786
  Bottom Layer w0.254: v1(69.621,-12.929) 69.621,-10.243 70.764,-9.1 v1(70.764,-6.274)
FLASH_QSPI_IO2: IC1.23 IC5.3 | length 30
  Top Layer w0.254: v1(68.301,-11.913) 83.363,-11.913 84.406,-12.956 84.406,-15.243 IC5.3@84.433,-15.27 ; IC1.23@69.308,-1.786 69.308,-4.104 69.868,-4.664 69.868,-4.748 v1(70.028,-4.909)
  Bottom Layer w0.254: v1(68.301,-11.913) 68.301,-10.236 70.028,-8.509 v1(70.028,-4.909)
FLASH_QSPI_IO3: IC1.22 IC5.7 | length 22.3
  Top Layer w0.254: IC1.22@68.808,-1.786 68.808,-8.102 69.24,-8.534 69.672,-8.966 73.279,-8.966 76.911,-8.966 78.765,-8.966 78.918,-8.966 82.575,-8.966 83.163,-8.378 IC5.7@83.163,-7.37
FLASH_QSPI_SCK: IC1.17 IC5.6 | length 30.1
  Top Layer w0.254: IC1.17@66.308,-1.786 66.308,-3.034 64.719,-4.623 64.719,-9.068 65.583,-9.931 83.566,-9.931 84.433,-9.064 IC5.6@84.433,-7.37